# Altium PCB FC11.PcbDoc (part 2 of 2)
Units mil, origin at the board's own origin, x right, y up, seen from the top; angles counter-clockwise.
Board outline 4330.71 x 2377.95 mil, 4 copper layers (Top Layer, Int1 (GND), Int2 (PWR), Bottom Layer), stack 53.912 mil thick; 171 components, 108 nets, 567 pads, 218 vias.
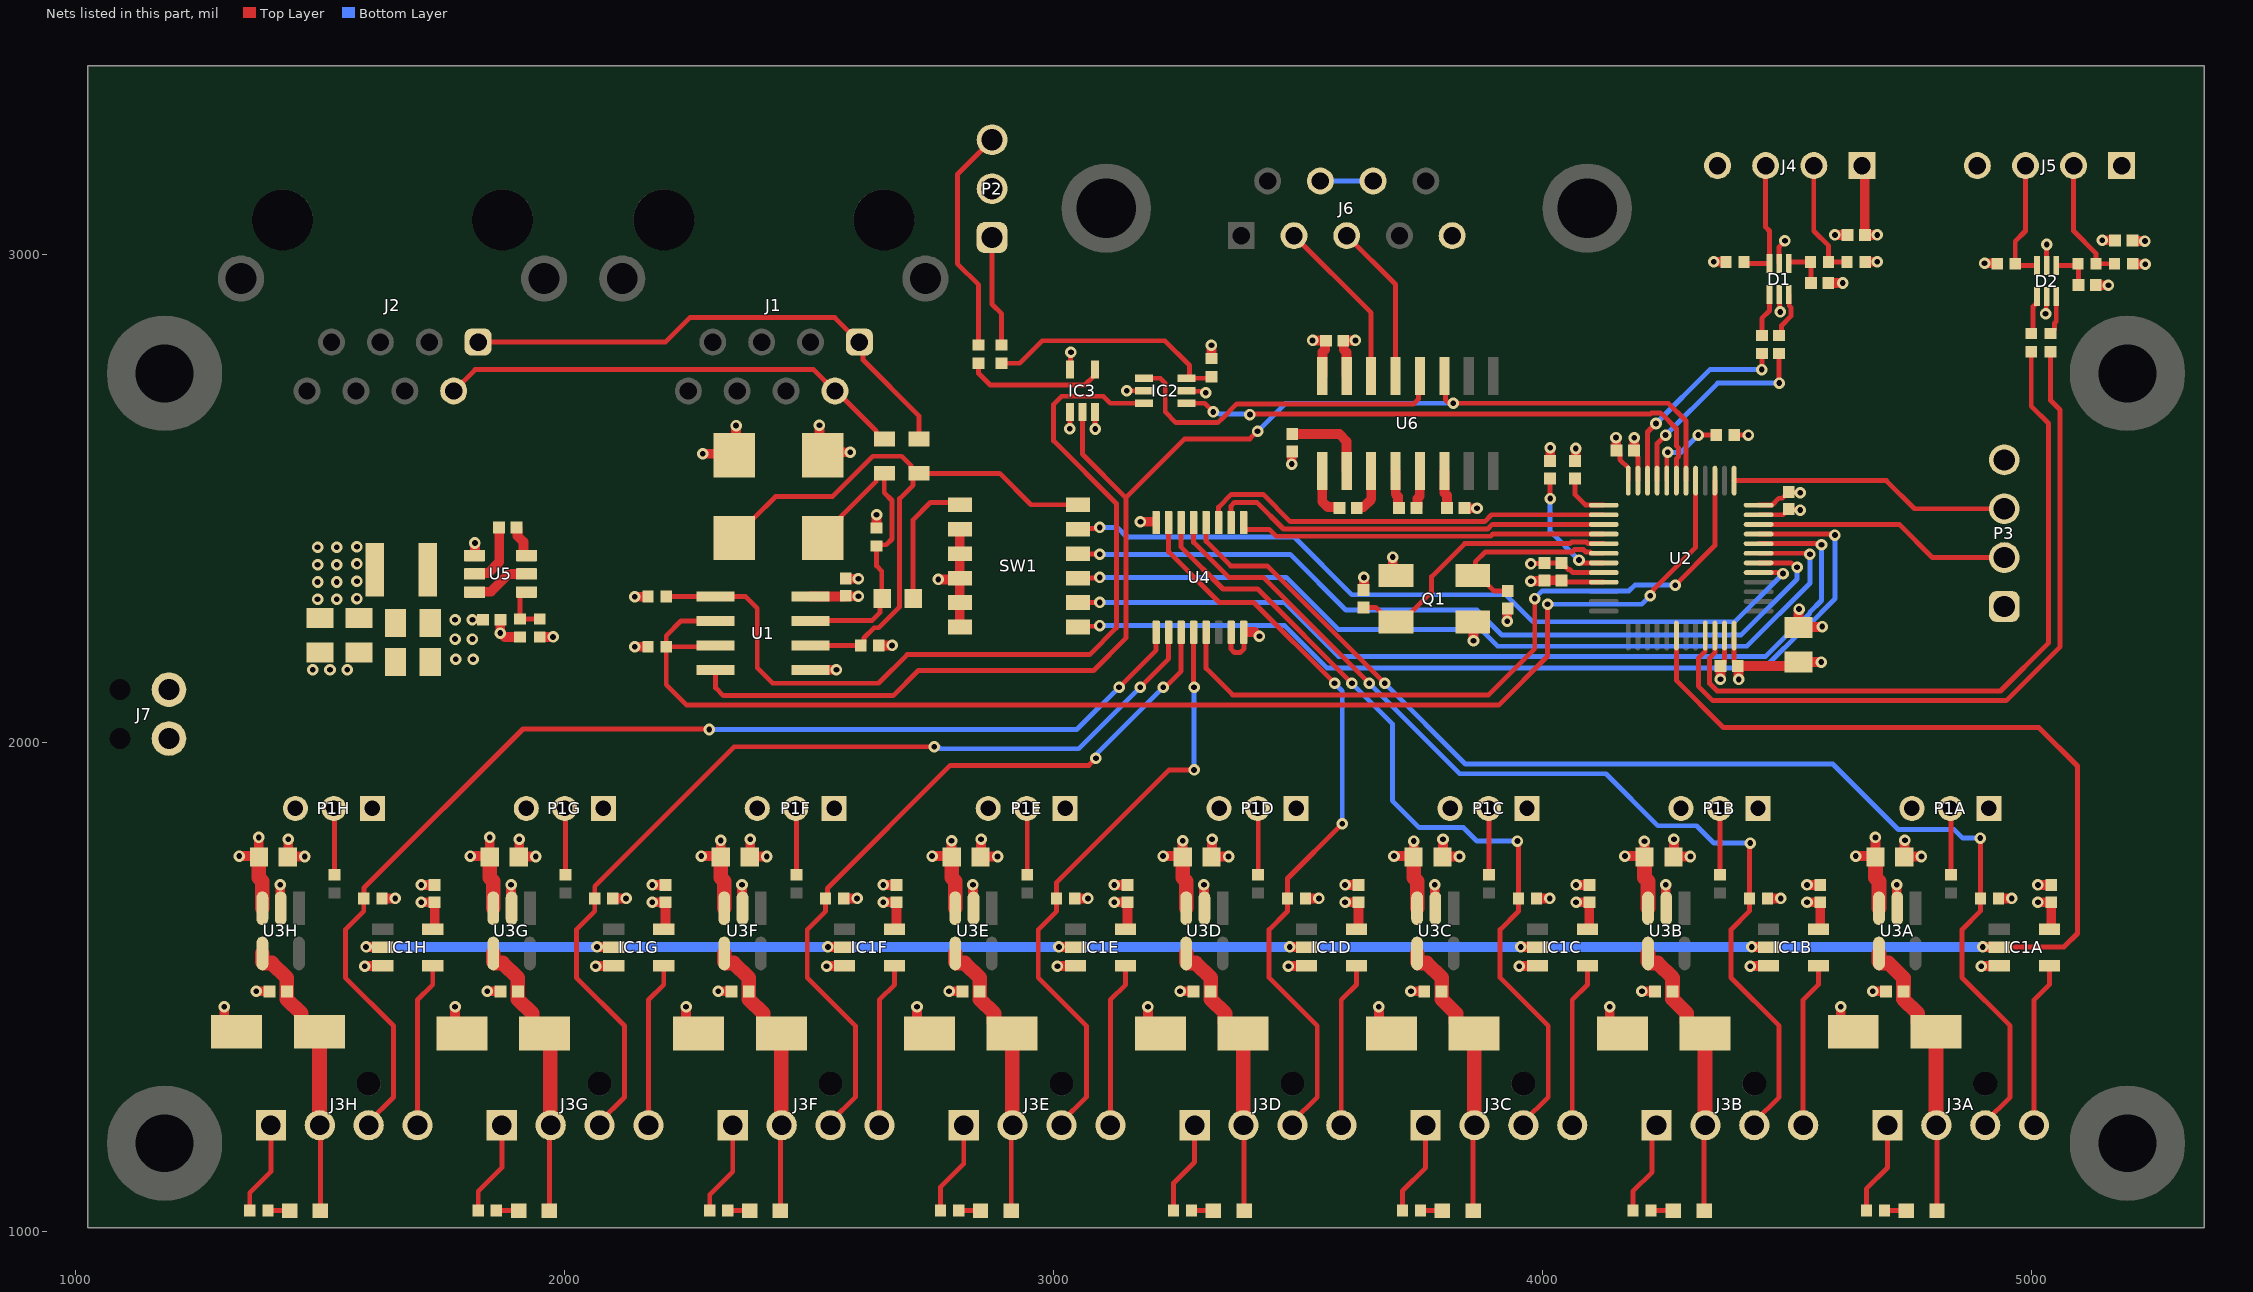
[diagram p4: the nets of this part, all layers, seen from the top]

## Via types
v1: diameter 23.62, hole 11.81, Top Layer to Bottom Layer, tented both sides, 218 vias

## Nets (pads, with @x,y where several pads share a name; then routed paths per layer and width w, separated by ;. In a path a pad name is that pad's centre, name@x,y a point inside that pad or via, vN(x,y) a via of type N, cw(c..) or ccw(c..) an arc to the next point about the centre after c; other vN are vias at no path point) (continued)
GND: C1A.1 C1B.1 C1C.1 C1D.1 C1E.1 C1F.1 C1G.1 C1H.1 C2A.1 C2B.1 C2C.1 C2D.1 C2E.1 C2F.1 C2G.1 C2H.1 C3A.1 C3B.1 C3C.1 C3D.1 C3E.1 C3F.1 C3G.1 C3H.1 C4.1 C5.1 C6.1 C7.1 C8.1 C9.1 C10.1 C11.1 C13.1 C14.1 C15.1 C16.1 C17.1 C18.1 C19.2 C20.1 C21.2 C24.2 C25.2 C26.2 C27.2 C28.1 C29.2 D1.2 D2.2 D3A.1 D3B.1 D3C.1 D3D.1 D3E.1 D3F.1 D3G.1 D3H.1 D4.2 D5.2 IC1A.3 IC1B.3 IC1C.3 IC1D.3 IC1E.3 IC1F.3 IC1G.3 IC1H.3 IC2.2 IC3.1 IC3.3 J3A.1 J3B.1 J3C.1 J3D.1 J3E.1 J3F.1 J3G.1 J3H.1 J4.4 J5.4 J6.5 J7.2 P1A.3 P1B.3 P1C.3 P1D.3 P1E.3 P1F.3 P1G.3 P1H.3 P2.2 P3.4 Q1.2 Q1.4 R4.1 R6.1 R7.1 R19A.1 R19B.1 R19C.1 R19D.1 R19E.1 R19F.1 R19G.1 R19H.1 R20.2 SW1.2 SW1.3 SW1.4 SW1.5 SW1.6 U1.5 U2.8 U2.23 U2.35 U2.47 U3A.2 U3B.2 U3C.2 U3D.2 U3E.2 U3F.2 U3G.2 U3H.2 U4.7 U4.8 U5.1 U6.15 | length 4949.1
  Top Layer w10: R19H.1@1355.51,1043.31 1355.51,1079.92 1398.74,1123.15 J3H.1@1398.74,1217.95 ; R19G.1@1822.83,1043.31 1822.83,1082.68 1871.18,1131.02 J3G.1@1871.18,1217.95 ; R19F.1@2296.46,1043.31 2296.46,1075.98 2343.62,1123.15 J3F.1@2343.62,1217.95 ; R19E.1@2768.9,1043.31 2768.9,1091.73 2816.06,1138.9 J3E.1@2816.06,1217.95 ; v1(3032.82,2642.71) 3033.14,2643.03 3033.14,2676.84 IC3.1@3033.46,2677.17 ; IC3.3@3084.65,2677.17 3084.93,2676.88 3084.93,2642.55 v1(3085.22,2642.26) ; v1(3149.61,2720.47) IC2.2@3185.02,2720.47 ; R19D.1@3245.28,1043.31 3245.28,1099.61 3288.5,1142.83 J3D.1@3288.5,1217.95 ; U4.7@3363.19,2226.38 3363.19,2191.93 3370.08,2185.04 3381.89,2185.04 3389.76,2192.91 3389.76,2225.39 U4.8@3388.78,2226.38 ; R19C.1@3713.78,1043.31 3713.78,1083.86 3760.94,1131.02 J3C.1@3760.94,1217.95 ; v1(3976.38,2366.14) 3977.36,2367.13 4002.95,2367.13 C8.1@4003.94,2368.11 C10.1@4039.37,2368.11 4052.6,2354.88 4055.72,2354.88 4061.98,2348.62 U2.8@4125.35,2348.62 ; R19B.1@4185.04,1043.31 4185.04,1082.68 4224.41,1122.05 4224.41,1208.98 J3B.1@4233.39,1217.95 ; C9.1@4187.86,2597.12 4188.31,2597.12 4194.21,2591.22 4194.21,2586.39 4195.24,2585.36 U2.47@4195.24,2536.61 ; C7.1@4364.17,2157.48 4372.4,2165.71 U2.23@4372.4,2219.69 ; R20.2@4392.52,2629.92 v1(4421.26,2629.92) ; U2.35@4442.28,2466.73 4492.32,2466.73 C11.1@4503.94,2478.35 4504.92,2477.36 4526.57,2477.36 v1(4527.56,2476.38) ; D1.2@4484.25,2917.13 4485.16,2916.22 4485.16,2883.11 v1(4486.38,2881.89) ; R19A.1@4662.6,1043.31 4662.6,1087.8 4705.83,1131.02 J3A.1@4705.83,1217.95 ; v1(5029.37,2877.95) 5030.59,2879.17 5030.59,2912.28 D2.2@5031.5,2913.19
  Top Layer w20: D3H.1@1303.15,1433.07 v1(1303.15,1460.26) ; v1@1368.84,1491.85 C3H.1@1396.02,1491.85 ; U3H.2@1417.67,1682.91 v1(1417.66,1710.1) ; C2H.1@1434.37,1775.73 v1(1434.36,1802.91) ; C2H.1@1440.94,1767.72 v1(1468.13,1767.72) ; v1(1590.55,1543.31) 1591.12,1543.88 1626.99,1543.88 IC1H.3@1627.56,1544.45 ; v1(1706.55,1709.56) C1H.1@1733.74,1709.57 ; D3G.1@1775.59,1433.07 v1(1775.59,1460.26) ; U5.1@1816.21,2381.85 v1(1816.21,2409.03) ; v1@1841.28,1491.85 C3G.1@1868.46,1491.85 ; C15.1@1868.11,2251.97 v1(1868.11,2224.78) 1869.09,2224.78 1877.08,2216.8 R4.1@1908.72,2216.8 ; U3G.2@1890.11,1682.91 v1(1890.1,1710.1) ; C2G.1@1906.81,1775.73 v1(1906.81,1802.91) ; C2G.1@1913.39,1767.72 v1(1940.57,1767.72) ; v1(2062.99,1543.31) 2063.56,1543.88 2099.43,1543.88 IC1G.3@2100,1544.45 ; v1@2143.29,2196.85 R6.1@2170.47,2196.85 ; v1(2178.99,1709.56) C1G.1@2206.18,1709.57 ; D3F.1@2248.03,1433.07 v1(2248.03,1460.26) ; v1(2282.01,2591.51) D5.2@2309.2,2591.51 ; v1@2313.72,1491.85 C3F.1@2340.91,1491.85 ; D5.2@2350.39,2622.05 v1(2350.39,2649.23) ; U3F.2@2362.55,1682.91 v1(2362.54,1710.1) ; C2F.1@2379.25,1775.73 v1(2379.25,1802.91) ; C2F.1@2385.83,1767.72 v1(2413.01,1767.72) ; D4.2@2520.98,2622.74 v1(2520.97,2649.93) ; U1.5@2528.5,2149.73 v1(2555.69,2149.73) ; v1(2535.43,1543.31) 2536,1543.88 2571.87,1543.88 IC1F.3@2572.44,1544.45 ; D4.2@2556.94,2594.6 v1(2584.12,2594.6) ; C20.1@2573.5,2335.76 v1(2600.69,2335.76) ; R7.1@2637.8,2439.76 v1@2637.8,2466.95 ; v1(2651.44,1709.56) C1F.1@2678.62,1709.57 ; D3E.1@2720.47,1433.07 v1(2720.47,1460.26) ; v1(2764.15,2334.64) SW1.4@2791.34,2334.65 ; v1@2786.16,1491.85 C3E.1@2813.35,1491.85 ; SW1.6@2808.07,2237.2 SW1.5@2808.07,2287.2 SW1.4@2808.07,2337.2 SW1.2@2808.07,2437.2 ; U3E.2@2834.99,1682.91 v1(2834.99,1710.1) ; C2E.1@2851.69,1775.73 v1(2851.69,1802.91) ; C2E.1@2858.27,1767.72 v1(2885.45,1767.72) ; v1(3007.87,1543.31) 3008.44,1543.88 3044.31,1543.88 IC1E.3@3044.88,1544.45 ; v1(3123.88,1709.56) C1E.1@3151.06,1709.57 ; D3D.1@3192.91,1433.07 v1(3192.91,1460.26) ; v1@3258.6,1491.85 C3D.1@3285.79,1491.85 ; U3D.2@3307.43,1682.91 v1(3307.43,1710.1) ; C2D.1@3324.13,1775.73 v1(3324.13,1802.91) ; C2D.1@3330.71,1767.72 v1(3357.9,1767.72) ; U4.8@3393.74,2226.99 3411.3,2226.99 3419.95,2218.35 v1(3420.93,2218.35) ; v1(3480.32,1543.31) 3480.89,1543.88 3516.75,1543.88 IC1D.3@3517.32,1544.45 ; v1(3487.33,2570.57) C19.2@3487.33,2597.76 ; v1(3596.32,1709.56) C1D.1@3623.5,1709.57 ; U6.15@3599.41,2750.55 3598.92,2751.04 3598.92,2799.08 3593.38,2804.62 3593.38,2822.83 3593.67,2823.13 3617.1,2823.13 v1(3617.39,2823.42) ; C4.1@3634.87,2311.49 v1(3634.87,2338.68) ; D3C.1@3665.35,1433.07 v1(3665.35,1460.26) ; Q1.4@3693.77,2353.03 v1(3693.77,2380.22) ; v1@3731.04,1491.85 C3C.1@3758.23,1491.85 ; U3C.2@3779.87,1682.91 v1(3779.87,1710.1) ; C2C.1@3796.57,1775.73 v1(3796.57,1802.91) ; C2C.1@3803.15,1767.72 v1(3830.34,1767.72) ; C21.2@3840.55,2480.32 v1(3866.14,2480.32) ; v1(3858.95,2209.24) Q1.2@3858.94,2236.43 ; v1(3928.16,2249.19) C5.1@3928.16,2276.38 ; v1(3952.76,1543.31) 3953.33,1543.88 3989.19,1543.88 IC1C.3@3989.76,1544.45 ; C29.2@4015.75,2576.77 v1(4015.75,2603.96) ; C28.1@4067.93,2575.17 v1(4067.93,2602.35) ; v1(4068.76,1709.56) C1C.1@4095.94,1709.57 ; D3B.1@4137.8,1433.07 v1(4137.79,1460.26) ; C9.1@4187.86,2597.12 v1(4187.86,2624.31) ; v1@4203.48,1491.85 C3B.1@4230.67,1491.85 ; U3B.2@4252.31,1682.91 v1(4252.31,1710.1) ; C2B.1@4269.01,1775.73 v1(4269.01,1802.91) ; C2B.1@4275.59,1767.72 v1(4302.78,1767.72) ; v1(4364.18,2130.36) C7.1@4364.17,2157.48 ; v1(4425.2,1543.31) 4425.77,1543.88 4461.63,1543.88 IC1B.3@4462.2,1544.45 ; C6.1@4523.62,2248.03 4523.62,2269.74 4524.38,2270.51 4524.38,2273.07 v1(4525.08,2273.76) ; v1(4541.2,1709.56) C1B.1@4568.39,1709.57 ; C6.1@4541.89,2238.89 4541.89,2237.57 4542.17,2237.29 4571.51,2237.29 v1(4572.2,2237.98) ; C26.2@4584.65,2940.94 v1(4614.17,2940.94) ; v1(4598.43,3039.37) C18.1@4624.02,3039.37 ; D3A.1@4610.24,1433.07 v1(4610.23,1460.26) ; v1@4675.93,1491.85 C3A.1@4703.11,1491.85 ; U3A.2@4724.75,1682.91 v1@4724.75,1710.1 ; C2A.1@4741.45,1775.73 4740.9,1776.28 4740.9,1800.48 v1(4741.45,1801.02) ; C2A.1@4748.03,1767.72 v1(4775.22,1767.72) ; v1(4897.64,1543.31) 4898.21,1543.88 4934.07,1543.88 IC1A.3@4934.65,1544.45 ; v1(5013.64,1709.56) C1A.1@5040.83,1709.57 ; C27.2@5130.59,2936.15 v1(5157.77,2936.15) ; v1(5145.38,3028.41) C24.2@5172.56,3028.42
  other v1: 1368.84,1491.85 1841.28,1491.85 2313.72,1491.85 2786.16,1491.85 3258.6,1491.85 3731.04,1491.85 4203.48,1491.85 4675.92,1491.85 4724.75,1710.1 1484.25,2149.61 1519.68,2149.61 1555.12,2149.61 2143.29,2196.85 2637.79,2466.95
I2C1_SCL: R23.1 U2.45 | length 437
  Top Layer w10: U2.45@4234.61,2536.61 4234.61,2612.56 v1(4251.97,2629.92) ; v1(4484.25,2736.22) R23.1@4484.25,2796.46
  Bottom Layer w10: v1(4251.97,2629.92) 4358.27,2736.22 v1(4484.25,2736.22)
I2C1_SDA: R21.1 U2.46 | length 419
  Top Layer w10: U2.46@4214.92,2536.61 4214.92,2636.18 v1(4232.28,2653.54) ; v1(4448.82,2763.78) R21.1@4448.82,2796.46
  Bottom Layer w10: v1(4232.28,2653.54) 4342.52,2763.78 v1(4448.82,2763.78)
I2C2_SCL: R24.1 U2.21 | length 1519.1
  Top Layer w10: U2.21@4333.03,2219.69 4333.03,2187.36 4318.9,2173.23 4318.9,2116.14 4348.43,2086.61 4948.82,2086.61 5059.06,2196.85 5059.06,2681.1 5039.37,2700.79 R24.1@5039.37,2800.39
I2C2_SDA: R22.1 U2.22 | length 1453.4
  Top Layer w10: U2.22@4352.72,2219.69 4352.72,2184.58 4341.97,2173.83 4341.97,2121.72 4357.39,2106.3 4937.01,2106.3 5035.43,2204.72 5035.43,2653.54 5000,2688.98 R22.1@5000,2800.39
NetC3A_2: C3A.2 D3A.2 D6A.2 J3A.2 U3A.4 | length 595.2
  Top Layer w10: J3A.2@4805.83,1217.95 4807.09,1216.69 D6A.2@4807.09,1043.31
  Top Layer w30: U3A.4@4688.43,1569.31 4688.43,1552.74 4691.42,1549.75 4707.99,1549.75 4738.54,1519.19 C3A.2@4738.54,1491.85 4738.54,1476.02 4767.95,1446.61 4767.95,1428.9 4787.4,1409.45 D3A.2@4805.12,1409.45 4805.12,1218.66 J3A.2@4805.83,1217.95
NetC3B_2: C3B.2 D3B.2 D6B.2 J3B.2 U3B.4 | length 595.8
  Top Layer w10: D6B.2@4330.71,1043.31 4330.71,1215.28 J3B.2@4333.39,1217.95
  Top Layer w30: U3B.4@4215.98,1569.31 4215.98,1552.74 4218.98,1549.75 4235.54,1549.75 4266.1,1519.19 C3B.2@4266.1,1491.85 4266.1,1476.02 4295.51,1446.61 4295.51,1428.9 4314.96,1409.45 4332.68,1409.45 D3B.2@4332.68,1405.51 4332.68,1218.66 J3B.2@4333.39,1217.95
NetC3C_2: C3C.2 D3C.2 D6C.2 J3C.2 U3C.4 | length 595.8
  Top Layer w10: D6C.2@3858.27,1043.31 3858.27,1215.28 J3C.2@3860.94,1217.95
  Top Layer w30: U3C.4@3743.54,1569.31 3743.54,1552.74 3746.54,1549.75 3763.1,1549.75 3793.66,1519.19 C3C.2@3793.66,1491.85 3793.66,1476.02 3823.07,1446.61 3823.07,1428.9 3842.52,1409.45 3860.24,1409.45 3860.24,1218.66 J3C.2@3860.94,1217.95
NetC3D_2: C3D.2 D3D.2 D6D.2 J3D.2 U3D.4 | length 595.2
  Top Layer w10: J3D.2@3388.5,1217.95 3389.76,1216.69 D6D.2@3389.76,1043.31
  Top Layer w30: U3D.4@3271.1,1569.31 3271.1,1552.74 3274.1,1549.75 3290.66,1549.75 3321.22,1519.19 C3D.2@3321.22,1491.85 3321.22,1476.02 3350.63,1446.61 3350.63,1428.9 3370.08,1409.45 3387.8,1409.45 D3D.2@3387.8,1405.51 3387.8,1218.66 J3D.2@3388.5,1217.95
NetC3E_2: C3E.2 D3E.2 D6E.2 J3E.2 U3E.4 | length 595.8
  Top Layer w10: D6E.2@2913.39,1043.31 2913.39,1215.28 J3E.2@2916.06,1217.95
  Top Layer w30: U3E.4@2798.66,1569.31 2798.66,1552.74 2801.66,1549.75 2818.22,1549.75 2848.78,1519.19 C3E.2@2848.78,1491.85 2848.78,1476.02 2878.19,1446.61 2878.19,1428.9 2897.64,1409.45 2915.35,1409.45 2915.35,1218.66 J3E.2@2916.06,1217.95
NetC3F_2: C3F.2 D3F.2 D6F.2 J3F.2 U3F.4 | length 595.8
  Top Layer w10: D6F.2@2440.95,1043.31 2440.95,1215.28 J3F.2@2443.62,1217.95
  Top Layer w30: U3F.4@2326.22,1569.31 2326.22,1552.74 2329.22,1549.75 2345.78,1549.75 2376.34,1519.19 C3F.2@2376.34,1491.85 2376.34,1476.02 2405.75,1446.61 2405.75,1428.9 2425.2,1409.45 2442.91,1409.45 D3F.2@2442.91,1405.51 2442.91,1218.66 J3F.2@2443.62,1217.95
NetC3G_2: C3G.2 D3G.2 D6G.2 J3G.2 U3G.4 | length 595.8
  Top Layer w10: D6G.2@1968.5,1043.31 1968.5,1215.28 J3G.2@1971.18,1217.95
  Top Layer w30: U3G.4@1853.78,1569.31 1853.78,1552.74 1856.78,1549.75 1873.34,1549.75 1903.9,1519.19 C3G.2@1903.9,1491.85 1903.9,1476.02 1933.31,1446.61 1933.31,1428.9 1952.76,1409.45 1970.47,1409.45 1970.47,1218.66 J3G.2@1971.18,1217.95
NetC3H_2: C3H.2 D3H.2 D6H.2 J3H.2 U3H.4 | length 595.2
  Top Layer w10: J3H.2@1498.74,1217.95 1500,1216.69 D6H.2@1500,1043.31
  Top Layer w30: U3H.4@1381.34,1569.31 1381.34,1552.74 1384.33,1549.75 1400.9,1549.75 1431.46,1519.19 C3H.2@1431.46,1491.85 1431.46,1476.02 1460.87,1446.61 1460.87,1428.9 1480.31,1409.45 D3H.2@1498.03,1409.45 1498.03,1218.66 J3H.2@1498.74,1217.95
NetC4_2: C4.2 Q1.1 U2.5 | length 590.7
  Top Layer w10: C4.2@3634.02,2277.36 3658.94,2277.36 3688.46,2247.83 Q1.1@3700.28,2247.83 3712.09,2247.83 3773.43,2309.17 3773.43,2340.35 3840.75,2407.68 4056.41,2407.68 4059.56,2410.83 4090.05,2410.83 4093.2,2407.68 U2.5@4125.35,2407.68
NetC5_2: C5.2 Q1.3 U2.6 | length 391
  Top Layer w10: C5.2@3929.02,2310.51 3901.38,2310.51 3869.57,2342.32 Q1.3@3857.76,2342.32 3862.86,2347.43 3862.86,2370.52 3883.03,2390.68 4060.62,2390.68 4065.77,2395.83 4083.84,2395.83 4088.98,2390.68 4097.23,2390.68 4099.92,2387.99 U2.6@4125.35,2387.99
NetC12_1: C12.1 L1.2 U5.2 | length 131.4
  Top Layer w20: U5.2@1815.35,2345.75 1817.17,2347.56 1843.62,2347.56 1865.79,2369.72 C12.1@1865.79,2440.75
NetC12_2: C12.2 U5.6 | length 68.7
  Top Layer w20: C12.2@1901.22,2440.75 1903.43,2438.54 1903.43,2423.35 1915.28,2411.49 1915.28,2384.96 1917.09,2383.15 U5.6@1921.65,2383.15
NetC19_1: C19.1 U6.2 | length 177.9
  Top Layer w20: C19.1@3488.19,2631.89 3584.65,2631.89 3599.41,2617.13 U6.2@3599.41,2556.54
NetC21_1: C21.1 U6.6 | length 78.6
  Top Layer w20: U6.6@3799.41,2556.54 3799.9,2556.04 3799.9,2511.12 3804.5,2506.53 3804.5,2480.94 C21.1@3805.12,2480.32
NetC22_1: C22.1 U6.3 | length 94.9
  Top Layer w20: C22.1@3620.08,2480.32 3622.28,2482.52 3633.95,2482.52 3649.93,2498.5 U6.3@3649.93,2527.51 ; U6.3@3649.9,2527.54 U6.3@3649.9,2556.01
NetC22_2: C22.2 U6.1 | length 103.5
  Top Layer w20: U6.1@3549.41,2556.54 3549.41,2493.9 3560.79,2482.52 3582.44,2482.52 C22.2@3584.65,2480.32
NetC23_1: C23.1 U6.5 | length 79.2
  Top Layer w20: C23.1@3742.13,2480.32 3744.33,2482.52 3744.33,2500.24 3749.06,2504.97 3749.06,2556.19 U6.5@3749.41,2556.54
NetC23_2: C23.2 U6.4 | length 79.2
  Top Layer w20: U6.4@3699.41,2556.54 3699.9,2556.04 3699.9,2508.76 3704.49,2504.17 3704.49,2482.52 C23.2@3706.69,2480.32
NetC26_1: C26.1 D1.4 R16.1 | length 91.3
  Top Layer w10: D1.4@4503.94,2980.51 4503.94,2983.35 4504.84,2984.25 R16.1@4548.43,2984.25 4549.21,2983.46 C26.1@4549.21,2940.94
NetC27_1: C27.1 D2.4 R17.1 | length 82.8
  Top Layer w10: D2.4@5051.18,2976.57 5092.99,2976.57 5096.46,2973.11 C27.1@5096.46,2937.01
NetC28_2: C28.2 U2.1 | length 100.8
  Top Layer w10: C28.2@4066.93,2541.34 4066.93,2507.87 4088.39,2486.42 U2.1@4125.35,2486.42
NetC29_1: C29.1 U2.7 | length 244.7
  Top Layer w10: v1(4015.75,2500) C29.1@4015.75,2541.34 ; v1(4074.8,2374.02) 4080.51,2368.31 U2.7@4125.35,2368.31
  Bottom Layer w10: v1(4015.75,2500) 4015.75,2433.07 v1(4074.8,2374.02)
NetD1_1: D1.1 R21.2 | length 90.2
  Top Layer w10: R21.2@4448.82,2833.46 4448.82,2868.59 4464.57,2884.33 D1.1@4464.57,2917.13
NetD1_3: D1.3 R23.2 | length 95.3
  Top Layer w10: R23.2@4484.25,2833.46 4488.94,2838.16 4488.94,2853.61 4508.19,2872.86 4508.19,2890.92 4504.84,2894.27 4504.84,2916.22 D1.3@4503.94,2917.13
NetD1_6: D1.6 J4.3 R12.1 | length 257.8
  Top Layer w10: R12.1@4412.2,2984.25 4415.94,2980.51 D1.6@4464.57,2980.51 4464.57,3047.24 4456.69,3055.12 J4.3@4456.69,3181.1
NetD2_1: D2.1 R22.2 | length 81.3
  Top Layer w10: R22.2@5000,2837.4 5003.94,2841.34 5003.94,2892.84 5009.79,2898.7 5010.91,2898.7 5011.81,2899.61 D2.1@5011.81,2913.19
NetD2_3: D2.3 R24.2 | length 81.1
  Top Layer w10: R24.2@5039.37,2837.4 5040.16,2837.4 5046.57,2843.82 5046.57,2844.61 5047.24,2845.28 5047.24,2858.27 5051.18,2862.2 D2.3@5051.18,2913.19
NetD2_6: D2.6 J5.3 R14.1 | length 255.5
  Top Layer w10: J5.3@4988.19,3181.1 4988.19,3047.24 4967.32,3026.38 R14.1@4967.32,2980.32 4971.06,2976.57 D2.6@5011.81,2976.57
NetD4_1: D4.1 F1.1 R7.2 R8.2 U1.7 | length 657.8
  Top Layer w10: U1.7@2502.56,2249.41 2503.8,2250.65 2628.72,2250.65 2644.52,2266.45 2644.52,2291.46 2648.34,2295.28 2648.34,2351.66 2637.8,2362.2 R7.2@2637.8,2402.76 2640.55,2405.51 2657.48,2405.51 2669.29,2417.32 2669.29,2496.06 2653.54,2511.81 F1.1@2653.54,2551.54 2647.09,2551.54 2637.09,2541.54 2637.09,2535.08 2564.88,2462.87 2564.88,2456.61 D4.1@2527.56,2419.29
NetD5_1: D5.1 F2.1 R5.2 SW1.12 U1.6 | length 1338.4
  Top Layer w10: D5.1@2346.46,2419.29 2346.46,2422.24 2383.78,2459.57 2386.73,2459.57 2431.1,2503.94 2547.24,2503.94 2629.92,2586.61 2689.33,2586.61 2707.95,2567.99 2707.95,2561.54 2717.95,2551.54 F2.1@2707.95,2541.54 ; U1.6@2502.56,2199.41 R5.2@2605.28,2199.41 2611.7,2205.83 2611.7,2214.62 2632.73,2235.65 2642.3,2235.65 2684.88,2278.23 2684.88,2499.84 2712.43,2527.39 2712.43,2541.54 2722.43,2551.54 F2.1@2724.41,2551.54 2889.41,2551.54 2953.74,2487.2 SW1.12@3050.2,2487.2
NetD6A_1: D6A.1 R19A.2 | length 44.5
  Top Layer w10: R19A.2@4699.61,1043.31 D6A.1@4744.09,1043.31
NetD6B_1: D6B.1 R19B.2 | length 45.7
  Top Layer w10: R19B.2@4222.05,1043.31 D6B.1@4267.72,1043.31
NetD6C_1: D6C.1 R19C.2 | length 44.5
  Top Layer w10: R19C.2@3750.79,1043.31 D6C.1@3795.28,1043.31
NetD6D_1: D6D.1 R19D.2 | length 44.5
  Top Layer w10: R19D.2@3282.28,1043.31 D6D.1@3326.77,1043.31
NetD6E_1: D6E.1 R19E.2 | length 44.5
  Top Layer w10: R19E.2@2805.91,1043.31 D6E.1@2850.39,1043.31
NetD6F_1: D6F.1 R19F.2 | length 44.5
  Top Layer w10: R19F.2@2333.46,1043.31 D6F.1@2377.95,1043.31
NetD6G_1: D6G.1 R19G.2 | length 45.7
  Top Layer w10: R19G.2@1859.84,1043.31 D6G.1@1905.51,1043.31
NetD6H_1: D6H.1 R19H.2 | length 44.5
  Top Layer w10: R19H.2@1392.52,1043.31 D6H.1@1437.01,1043.31
NetF1_2: F1.2 J1.2 J2.2 | length 961.6
  Top Layer w10: J2.2@1772.68,2720.04 1816.42,2763.78 2508.94,2763.78 J1.2@2552.68,2720.04 2555.2,2720.04 2637.09,2638.15 2637.09,2631.69 2647.09,2621.69 F1.2@2653.54,2621.69
NetF2_2: F2.2 J1.1 J2.1 | length 1070.2
  Top Layer w10: J2.1@1822.68,2820.04 2205.86,2820.04 2255.91,2870.08 2552.64,2870.08 J1.1@2602.68,2820.04 2610.36,2812.35 2610.36,2783.34 2724.41,2669.29 F2.2@2724.41,2621.69
NetIC1A_4: IC1A.4 J3A.4 | length 339.4
  Top Layer w10: J3A.4@5005.83,1217.95 5005.83,1474.33 5037.01,1505.51 IC1A.4@5037.01,1544.45
NetIC1B_4: IC1B.4 J3B.4 | length 339.4
  Top Layer w10: J3B.4@4533.39,1217.95 4533.39,1474.33 4564.57,1505.51 IC1B.4@4564.57,1544.45
NetIC1C_4: IC1C.4 J3C.4 | length 339.4
  Top Layer w10: J3C.4@4060.94,1217.95 4060.94,1474.33 4092.13,1505.51 IC1C.4@4092.13,1544.45
NetIC1D_4: IC1D.4 J3D.4 | length 339.4
  Top Layer w10: J3D.4@3588.5,1217.95 3588.5,1474.33 3619.69,1505.51 IC1D.4@3619.69,1544.45
NetIC1E_4: IC1E.4 J3E.4 | length 339.4
  Top Layer w10: J3E.4@3116.06,1217.95 3116.06,1474.33 3147.24,1505.51 IC1E.4@3147.24,1544.45
NetIC1F_4: IC1F.4 J3F.4 | length 339.4
  Top Layer w10: J3F.4@2643.62,1217.95 2643.62,1474.33 2674.8,1505.51 IC1F.4@2674.8,1544.45
NetIC1G_4: IC1G.4 J3G.4 | length 339.4
  Top Layer w10: J3G.4@2171.18,1217.95 2171.18,1474.33 2202.36,1505.51 IC1G.4@2202.36,1544.45
NetIC1H_4: IC1H.4 J3H.4 | length 339.4
  Top Layer w10: J3H.4@1698.74,1217.95 1698.74,1474.33 1729.92,1505.51 IC1H.4@1729.92,1544.45
NetIC2_1: IC2.1 U6.12 | length 701.9
  Top Layer w10: IC2.1@3185.02,2746.06 3218.51,2746.06 3228.35,2736.22 3228.35,2677.17 3250.16,2655.35 3335.81,2655.35 3341.87,2661.42 3342.52,2661.42 3374.63,2693.52 3736.54,2693.52 3746.14,2703.12 3746.14,2747.28 U6.12@3749.41,2750.55
NetIC2_3: IC2.3 R9.2 U1.1 | length 1818.7
  Top Layer w10: R9.2@2207.48,2299.21 2207.48,2300 R9.2@2213.9,2306.42 ; 2219.76,2299.41 U1.1@2308.46,2299.41 2369.88,2299.41 2393.7,2275.59 2393.7,2153.54 2425.2,2122.05 2641.73,2122.05 2700.33,2180.64 3073.63,2180.64 3128.27,2235.28 3128.27,2489.84 3000,2618.11 3000,2692.91 3016.28,2709.2 3101.83,2709.2 3116.14,2694.88 IC2.3@3185.02,2694.88
NetIC2_6: IC2.6 R10.1 R11.1 | length 504.5
  Top Layer w10: R11.1@2893.7,2776.77 2930.32,2776.77 2976.38,2822.83 3227.62,2822.83 3278.35,2772.1 3278.35,2748.93 IC2.6@3275.47,2746.06 ; IC2.6@3271.64,2746.06 IC2.6@3275.47,2746.06 ; R10.1@3322.83,2749.21 3319.68,2746.06 IC2.6@3275.47,2746.06
NetIC3_4: IC3.4 R18.1 | length 288.2
  Top Layer w10: R18.1@2846.46,2776.77 2846.46,2755.91 2870.08,2732.28 3063.98,2732.28 3081.77,2750.08 3084.65,2752.95 IC3.4@3084.65,2763.78
NetJ4_2: J4.2 R13.2 R16.2 | length 247.2
  Top Layer w10: J4.2@4555.12,3181.1 4555.12,3047.24 4585.43,3016.93 R16.2@4585.43,2984.25 R13.2@4623.23,2984.25
NetJ5_2: J5.2 R15.2 R17.2 | length 257.7
  Top Layer w10: J5.2@5086.61,3181.1 5086.61,3047.24 5132.2,3001.66 5132.2,2980.8 R17.2@5132.68,2980.32 R15.2@5170.47,2980.32
NetJ6_2: J6.2 U6.14 | length 352.6
  Top Layer w10: J6.2@3491.73,3037.8 3649.41,2880.12 U6.14@3649.41,2750.55
NetJ6_3: J6.3 U6.13 | length 328.6
  Top Layer w10: J6.3@3599.61,3037.8 3699.41,2937.99 U6.13@3699.41,2750.55
NetJ6_7: J6.7 J6.8 | length 107.9
  Bottom Layer w10: J6.7@3545.67,3149.61 J6.8@3653.54,3149.61
NetP1A_2: P1A.2 R2A.1 | length 137.9
  Top Layer w5: R2A.1@4834.65,1731.54 R2A.1@4835.83,1730.35
  Top Layer w10: P1A.2@4834.65,1866.14 4835.83,1864.96 R2A.1@4835.83,1730.35
NetP1B_2: P1B.2 R2B.1 | length 137.9
  Top Layer w5: R2B.1@4362.2,1731.54 R2B.1@4363.39,1730.35
  Top Layer w10: P1B.2@4362.2,1866.14 4363.39,1864.96 R2B.1@4363.39,1730.35
NetP1C_2: P1C.2 R2C.1 | length 137.9
  Top Layer w5: R2C.1@3889.76,1731.54 R2C.1@3890.94,1730.35
  Top Layer w10: P1C.2@3889.76,1866.14 3890.94,1864.96 R2C.1@3890.94,1730.35
NetP1D_2: P1D.2 R2D.1 | length 137.9
  Top Layer w5: R2D.1@3417.32,1731.54 R2D.1@3418.5,1730.35
  Top Layer w10: P1D.2@3417.32,1866.14 3418.5,1864.96 R2D.1@3418.5,1730.35
NetP1E_2: P1E.2 R2E.1 | length 137.9
  Top Layer w5: R2E.1@2944.88,1731.54 R2E.1@2946.06,1730.35
  Top Layer w10: P1E.2@2944.88,1866.14 2946.06,1864.96 R2E.1@2946.06,1730.35
NetP1F_2: P1F.2 R2F.1 | length 137.9
  Top Layer w5: R2F.1@2472.44,1731.54 R2F.1@2473.62,1730.35
  Top Layer w10: P1F.2@2472.44,1866.14 2473.62,1864.96 R2F.1@2473.62,1730.35
NetP1G_2: P1G.2 R2G.1 | length 137.9
  Top Layer w5: R2G.1@2000,1731.54 R2G.1@2001.18,1730.35
  Top Layer w10: P1G.2@2000,1866.14 2001.18,1864.96 R2G.1@2001.18,1730.35
NetP1H_2: P1H.2 R2H.1 | length 137.9
  Top Layer w5: R2H.1@1527.56,1731.54 R2H.1@1528.74,1730.35
  Top Layer w10: P1H.2@1527.56,1866.14 1528.74,1864.96 R2H.1@1528.74,1730.35
NetP2_1: P2.1 R11.2 | length 228.2
  Top Layer w10: P2.1@2874.02,3033.86 2874.02,2897.64 2893.7,2877.95 R11.2@2893.7,2813.78
NetP2_3: P2.3 R18.2 | length 467.4
  Top Layer w10: R18.2@2846.46,2813.78 2846.46,2937.01 2803.15,2980.31 2803.15,3162.99 P2.3@2874.02,3233.86
NetP3_2: P3.2 U2.34 | length 530.7
  Top Layer w10: U2.34@4442.28,2447.05 4730.12,2447.05 4798.03,2379.13 P3.2@4944.88,2379.13
NetP3_3: P3.3 U2.37 | length 576.6
  Top Layer w10: U2.37@4392.09,2536.61 4703.54,2536.61 4761.02,2479.13 P3.3@4944.88,2479.13
NetR3_1: R3.1 R4.2 U5.4 | length 103.5
  Top Layer w10: U5.4@1921.65,2308.35 1915.53,2308.35 1908.72,2301.54 R4.2@1908.72,2253.81 R3.1@1948.72,2253.81
NetR8_1: R8.1 SW1.1 | length 273.6
  Top Layer w10: R8.1@2712.6,2295.28 2712.6,2456.69 2748.03,2492.13 2803.15,2492.13 SW1.1@2808.07,2487.2
NetR20_1: R20.1 U2.44 | length 172.5
  Top Layer w10: U2.44@4254.29,2536.61 4254.29,2592.36 v1(4256.42,2594.49) ; v1(4318.9,2629.92) R20.1@4355.51,2629.92
  Bottom Layer w10: v1(4256.42,2594.49) 4283.46,2594.49 v1(4318.9,2629.92)
NetU2_39: U2.39 U4.5 | length 1456.2
  Top Layer w10: U4.5@3312.01,2226.38 3312.01,2152.56 3366.14,2098.43 3889.76,2098.43 3984.25,2192.91 v1(3984.25,2295.28) ; v1(4271.65,2322.83) 4352.72,2403.9 U2.39@4352.72,2536.61
  Bottom Layer w10: v1(3984.25,2295.28) 4000,2311.02 4177.17,2311.02 4188.98,2322.83 v1(4271.65,2322.83)
P3V3: C1A.2 C1B.2 C1C.2 C1D.2 C1E.2 C1F.2 C1G.2 C1H.2 C6.2 C7.2 C8.2 C9.2 C10.2 C11.2 C16.2 C17.2 C18.2 C20.2 C24.1 C25.1 D1.5 D2.5 IC1A.5 IC1B.5 IC1C.5 IC1D.5 IC1E.5 IC1F.5 IC1G.5 IC1H.5 IC2.5 IC3.5 J4.1 J5.1 L1.1 P1A.1 P1B.1 P1C.1 P1D.1 P1E.1 P1F.1 P1G.1 P1H.1 P3.1 R1A.2 R1B.2 R1C.2 R1D.2 R1E.2 R1F.2 R1G.2 R1H.2 R3.2 R5.1 R9.1 R10.2 R12.2 R13.1 R14.2 R15.1 U1.8 U2.9 U2.24 U2.36 U2.48 U4.16 U6.16 | length 2303.1
  Top Layer w10: IC3.5@3033.46,2763.78 3034.45,2764.76 3034.45,2798.23 v1(3035.43,2799.21) ; IC2.5@3271.64,2720.47 3272.62,2719.49 3304.46,2719.49 3307.34,2716.6 v1(3311.03,2716.6) ; C10.2@4039.37,2332.68 4043.11,2328.94 U2.9@4125.35,2328.94 ; C9.2@4151.57,2598.43 4158.53,2591.47 4158.53,2579.76 4175.55,2562.74 U2.48@4175.55,2536.61 ; U2.24@4392.09,2219.69 4392.09,2165 C7.2@4399.61,2157.48 ; U2.36@4442.28,2486.42 4469.63,2486.42 4483.77,2500.55 4490.71,2500.55 C11.2@4503.94,2513.78 4504.92,2512.8 4526.57,2512.8 v1(4527.56,2511.81) ; D1.5@4484.25,2980.51 4484.25,3015 4496.06,3026.81 v1(4496.06,3027.56) ; D2.5@5031.5,2976.57 v1(5031.5,3019.68)
  Top Layer w20: R1H.2@1625.75,1681.85 v1(1652.93,1681.85) ; v1(1706.55,1674.13) C1H.2@1733.74,1674.13 1733.74,1621.06 1731.93,1619.25 IC1H.5@1729.92,1619.25 ; R3.2@1948.72,2216.8 v1(1975.9,2216.8) ; R1G.2@2098.19,1681.85 v1(2125.38,1681.85) ; v1(2143.29,2299.21) R9.1@2170.47,2299.21 ; v1(2178.99,1674.13) C1G.2@2206.18,1674.13 2206.18,1621.06 2204.37,1619.25 IC1G.5@2202.36,1619.25 ; U1.8@2502.64,2299.49 2573.12,2299.49 C20.2@2574.8,2301.18 ; R1F.2@2570.63,1681.85 v1(2597.82,1681.85) ; C20.2@2574.8,2300.32 v1(2600.69,2300.33) ; R5.1@2642.29,2199.41 v1(2669.48,2199.41) ; v1(2651.44,1674.13) C1F.2@2678.62,1674.13 2678.62,1621.06 2676.81,1619.25 IC1F.5@2674.8,1619.25 ; R1E.2@3043.07,1681.85 v1(3070.26,1681.85) ; v1(3123.88,1674.13) C1E.2@3151.06,1674.13 3151.06,1621.06 3149.25,1619.25 IC1E.5@3147.24,1619.25 ; v1(3177.67,2452.39) U4.16@3204.86,2452.39 ; R10.2@3322.83,2786.22 v1(3322.83,2813.41) ; R1D.2@3515.51,1681.85 v1(3542.7,1681.85) ; v1(3529.7,2823.42) 3529.99,2823.13 3557.65,2823.13 C25.1@3557.94,2822.83 ; U6.16@3549.41,2750.55 3549.9,2751.04 3549.9,2799.51 3554.88,2804.49 3554.88,2820.63 C25.1@3557.09,2822.83 ; v1(3596.32,1674.13) C1D.2@3623.5,1674.13 3623.5,1621.06 3621.69,1619.25 IC1D.5@3619.69,1619.25 ; v1(3976.38,2330.71) 3977.07,2331.4 4002.66,2331.4 C8.2@4003.94,2332.68 C10.2@4039.37,2332.68 ; R1C.2@3987.95,1681.85 v1(4015.14,1681.85) ; v1(4068.76,1674.13) C1C.2@4095.94,1674.13 4095.94,1621.06 4094.13,1619.25 IC1C.5@4092.13,1619.25 ; v1(4150.47,2624.68) 4151.16,2623.99 C9.2@4151.16,2598.43 ; v1(4350.39,2984.25) R12.2@4375.2,2984.25 ; v1(4401.57,2129.92) 4400.88,2130.61 4400.88,2156.2 C7.2@4399.61,2157.48 4515.75,2157.48 C6.2@4523.62,2165.35 ; R1B.2@4460.39,1681.85 v1(4487.58,1681.85) ; v1(4541.2,1674.13) C1B.2@4568.39,1674.13 4568.39,1621.06 4566.57,1619.25 IC1B.5@4564.57,1619.25 ; C6.2@4543.31,2165.35 v1(4570.49,2165.36) ; J4.1@4653.54,3181.1 4659.45,3175.2 C18.2@4659.45,3039.37 v1(4685.04,3039.37) ; R13.1@4660.24,2984.25 v1(4685.04,2984.25) ; v1(4904.43,2981.17) R14.2@4931.62,2981.17 ; R1A.2@4932.83,1681.85 v1(4960.02,1681.85) ; v1(5013.64,1674.13) C1A.2@5040.83,1674.13 5040.83,1621.06 5039.02,1619.25 IC1A.5@5037.01,1619.25 ; C24.1@5205.39,3026.7 v1(5232.58,3026.7) ; R15.1@5206.18,2979.46 v1(5233.36,2979.46)
  other v1: 1494.19,2293.87 1533.56,2293.87 1574.8,2295.28 1494.19,2329.3 1533.56,2329.3 1574.8,2330.71 1494.19,2364.73 1533.56,2364.73 1574.8,2366.14 1494.19,2400.17 1533.56,2400.17 1574.8,2401.57
P12V: C2A.2 C2B.2 C2C.2 C2D.2 C2E.2 C2F.2 C2G.2 C2H.2 C13.2 C14.2 C15.2 J7.1 U3A.3 U3B.3 U3C.3 U3D.3 U3E.3 U3F.3 U3G.3 U3H.3 U5.3 U5.5 | length 1403
  Top Layer w20: v1(1334.08,1768.61) C2H.2@1361.26,1768.61 ; C2H.2@1374.02,1779.53 v1(1374.01,1806.71) ; v1(1806.52,1768.61) C2G.2@1833.7,1768.61 ; U5.3@1815.35,2308.35 1816.53,2309.52 1848.89,2309.52 1885.12,2345.75 U5.5@1921.65,2345.75 ; C2G.2@1846.46,1779.53 v1(1846.45,1806.71) ; v1(2278.96,1768.61) C2F.2@2306.15,1768.61 ; C2F.2@2318.9,1779.53 v1(2318.9,1800.65) ; v1(2751.4,1768.61) C2E.2@2778.59,1768.61 ; C2E.2@2791.34,1779.53 v1(2791.31,1800.11) ; v1(3223.84,1768.61) C2D.2@3251.03,1768.61 ; C2D.2@3263.78,1779.53 3263.78,1799.29 v1(3264.21,1799.72) ; v1(3696.28,1768.61) 3725.3,1768.61 3736.53,1779.84 v1(3736.53,1799.21) ; v1(4168.72,1768.61) C2B.2@4195.91,1768.61 ; v1(4208.59,1798.92) 4208.66,1798.85 C2B.2@4208.66,1779.53 ; v1(4641.16,1768.61) C2A.2@4668.35,1768.61 ; C2A.2@4681.1,1779.53 v1(4681.1,1806.71)
  Top Layer w30: C2H.2@1374.21,1766.85 1374.21,1724.21 1381.34,1717.09 U3H.3@1381.34,1661.85 ; C2G.2@1846.65,1766.85 1846.65,1724.21 1853.78,1717.09 U3G.3@1853.78,1661.85 ; C2F.2@2319.09,1766.85 2319.09,1724.21 2326.22,1717.09 U3F.3@2326.22,1661.85 ; C2E.2@2791.54,1766.85 2791.54,1724.21 2798.66,1717.09 U3E.3@2798.66,1661.85 ; C2D.2@3263.98,1766.85 3263.98,1724.21 3271.1,1717.09 U3D.3@3271.1,1661.85 ; C2C.2@3736.42,1766.85 3736.42,1724.21 3743.54,1717.09 U3C.3@3743.54,1661.85 ; C2B.2@4208.86,1766.85 4208.86,1724.21 4215.98,1717.09 U3B.3@4215.98,1661.85 ; C2A.2@4681.3,1766.85 4681.3,1724.21 4688.43,1717.09 U3A.3@4688.43,1661.85
  other v1: 1777,2171.35 1812.43,2171.35 1775.59,2212.6 1811.02,2212.6 1775.59,2251.97 1811.02,2251.97
PC13: U2.2 U4.11 | length 859.1
  Top Layer w10: U4.11@3337.6,2450.79 3337.6,2482.41 3363.68,2508.5 3428.51,2508.5 3484.25,2452.76 3881.89,2452.76 3895.87,2466.73 U2.2@4125.35,2466.73
PC14: U2.3 U4.10 | length 825.8
  Top Layer w10: U4.10@3363.19,2450.79 3363.19,2485.24 3370.08,2492.13 3415.79,2492.13 3470.16,2437.76 3888.1,2437.76 3897.39,2447.05 U2.3@4125.35,2447.05
PC15: U2.4 U4.9 | length 756.5
  Top Layer w10: U4.9@3388.78,2450.79 3388.78,2439.88 3391.65,2437.01 3440.94,2437.01 3455.2,2422.76 3894.32,2422.76 3898.92,2427.36 U2.4@4125.35,2427.36
PWM: IC1A.2 IC1B.2 IC1C.2 IC1D.2 IC1E.2 IC1F.2 IC1G.2 IC1H.2 U2.18 | length 5030.1
  Top Layer w10: U2.18@4273.98,2219.69 4273.98,2127.88 4370.36,2031.5 5015.75,2031.5 5094.49,1952.76 5094.49,1610.24 5066.93,1582.68 IC1A.2@4927.73,1582.68
  Top Layer w20: v1(1593.45,1582.67) IC1H.2@1620.64,1582.68 ; v1(2065.9,1582.67) IC1G.2@2093.08,1582.68 ; v1(2538.34,1582.67) IC1F.2@2565.52,1582.68 ; v1(3010.78,1582.67) IC1E.2@3037.96,1582.68 ; v1(3483.22,1582.67) IC1D.2@3510.4,1582.68 ; v1(3955.66,1582.67) IC1C.2@3982.85,1582.68 ; v1(4428.1,1582.67) IC1B.2@4455.29,1582.68 ; v1(4900.54,1582.67) IC1A.2@4927.73,1582.68
  Bottom Layer w20: v1(1593.45,1582.67) v1(2065.9,1582.67) v1(2538.34,1582.67) v1(3010.78,1582.67) v1(3483.22,1582.67) v1(3955.66,1582.67) v1(4428.1,1582.67) v1(4900.54,1582.67)
RS_DE: R6.2 U1.2 U1.3 U2.41 | length 2774.6
  Top Layer w10: U1.3@2308.46,2199.41 2305.91,2196.85 R6.2@2207.48,2196.85 ; U1.2@2308.46,2249.41 2237.6,2249.41 2207.48,2219.29 R6.2@2207.48,2196.85 ; v1(4010.41,2283.66) 4010.41,2177.51 3910.39,2077.5 2249.28,2077.5 2207.48,2119.29 R6.2@2207.48,2196.85 ; v1(4220.47,2301.02) 4220.47,2304.71 4226.4,2310.64 4226.4,2313.01 4313.35,2399.96 U2.41@4313.35,2536.61
  Bottom Layer w10: v1(4010.41,2283.66) 4203.11,2283.66 v1(4220.47,2301.02)
RS_RX: IC2.4 U2.43 | length 1137
  Top Layer w10: IC2.4@3271.64,2694.88 3309.06,2694.88 v1(3326.77,2677.17) ; v1(3401.57,2671.71) 3403.09,2673.23 4221.12,2673.23 4223.25,2675.35 4241.32,2675.35 4243.44,2673.23 4244.09,2673.23 4273.98,2643.35 4273.98,2607.77 4278.23,2603.52 4278.23,2585.45 4273.98,2581.2 U2.43@4273.98,2536.61
  Bottom Layer w10: v1(3326.77,2677.17) 3329.38,2674.56 3338.11,2674.56 3339.44,2673.23 3400.06,2673.23 v1(3401.57,2671.71)
RS_TX: IC3.2 U1.4 U2.42 U6.11 | length 2862.3
  Top Layer w10: U1.4@2308.46,2149.41 2308.46,2112.8 2324.31,2096.95 2671.76,2096.95 2723.03,2148.23 3081.87,2148.23 3147.8,2214.16 3147.8,2501.81 ; IC3.2@3059.06,2677.17 3059.06,2590.55 3147.8,2501.81 ; v1(3417.32,2637.8) 3401.57,2622.05 3268.04,2622.05 3147.8,2501.81 ; U6.11@3799.41,2750.55 3801.52,2748.44 3801.52,2702.41 3807.38,2696.55 3816.16,2696.55 v1(3817.68,2695.04) 4257.72,2695.04 4293.66,2659.09 U2.42@4293.66,2536.61
  Bottom Layer w10: v1(3417.32,2637.8) 3474.57,2695.04 v1(3817.68,2695.04)
SW1: SW1.11 U2.29 | length 1614.9
  Top Layer w10: SW1.11@3050.2,2437.2 3052.07,2439.07 3092.62,2439.07 v1(3094.49,2440.94) ; U2.29@4442.28,2348.62 4489.96,2348.62 v1(4492.13,2346.46)
  Bottom Layer w10: v1(3094.49,2440.94) 3129.92,2440.94 3149.61,2421.26 3492.13,2421.26 3610.24,2303.15 3925.2,2303.15 3980.31,2248.03 4393.7,2248.03 v1(4492.13,2346.46)
SW2: SW1.10 U2.30 | length 1694
  Top Layer w10: SW1.10@3050.2,2387.2 3050.66,2386.74 3093.58,2386.74 v1(3094.49,2385.83) ; U2.30@4442.28,2368.31 4508.62,2368.31 4517.33,2359.6 v1(4521.02,2359.6)
  Bottom Layer w10: v1(3094.49,2385.83) 3483.97,2385.83 3598.14,2271.65 3866.14,2271.65 3917.32,2220.47 4406.03,2220.47 4521.02,2335.46 v1(4521.02,2359.6)
SW3: SW1.9 U2.31 | length 1774.2
  Top Layer w10: SW1.9@3050.2,2337.2 3050.66,2337.67 3093.58,2337.67 v1(3094.49,2338.58) ; U2.31@4442.28,2387.99 4545.08,2387.99 v1(4547.24,2385.83)
  Bottom Layer w10: v1(3094.49,2338.58) 3475.89,2338.58 3582.19,2232.28 3874.02,2232.28 3908.43,2197.87 4418.35,2197.87 4547.24,2326.77 v1(4547.24,2385.83)
SW4: SW1.8 U2.32 | length 1858.9
  Top Layer w10: SW1.8@3050.2,2287.2 3094.29,2287.2 v1(3094.49,2287.4) ; U2.32@4442.28,2407.68 4568.7,2407.68 v1(4570.87,2405.51)
  Bottom Layer w10: v1(3094.49,2287.4) 3472.52,2287.4 3582.76,2177.17 4456.69,2177.17 4531.48,2251.95 4534.11,2251.95 4546.89,2264.73 4546.89,2267.36 4570.87,2291.34 v1(4570.87,2405.51)
SW5: SW1.7 U2.33 | length 1931.1
  Top Layer w10: SW1.7@3050.2,2237.2 3051.67,2238.68 3093.01,2238.68 v1(3094.49,2240.16) ; U2.33@4442.28,2427.36 4596.26,2427.36 v1(4598.43,2425.2)
  Bottom Layer w10: v1(3094.49,2240.16) 3472.44,2240.16 3559.06,2153.54 4454.28,2153.54 4537.69,2236.95 4540.33,2236.95 4598.43,2295.05 v1(4598.43,2425.2)
TACH1: J3H.3 R1H.1 U4.1 | length 2422.3
  Top Layer w10: J3H.3@1598.74,1217.95 1598.74,1224.72 1649.61,1275.59 1649.61,1421.26 1551.18,1519.69 1551.18,1618.11 1588.74,1655.67 R1H.1@1588.74,1681.85 1589.02,1682.13 1589.02,1703.2 1914.41,2028.59 2294.25,2028.59 v1(2295.28,2027.56) ; v1(3133.86,2114.17) 3209.65,2189.96 U4.1@3209.65,2226.38
  Bottom Layer w10: v1(2295.28,2027.56) 3047.24,2027.56 v1(3133.86,2114.17)
TACH2: J3G.3 R1G.1 U4.2 | length 1990.5
  Top Layer w10: J3G.3@2071.18,1217.95 2071.18,1224.72 2122.05,1275.59 2122.05,1421.26 2023.62,1519.69 2023.62,1618.11 2061.18,1655.67 2061.18,1706.85 2346.46,1992.13 v1(2755.91,1992.13) ; v1(3177.17,2114.17) 3235.24,2172.24 U4.2@3235.24,2226.38
  Bottom Layer w10: v1(2755.91,1992.13) 2758.51,1989.52 2767.24,1989.52 2768.57,1988.19 3051.18,1988.19 v1(3177.17,2114.17)
TACH3: J3F.3 R1F.1 U4.3 | length 1555.4
  Top Layer w10: J3F.3@2543.62,1217.95 2543.62,1224.72 2594.49,1275.59 2594.49,1421.26 2496.06,1519.69 2496.06,1618.11 2533.62,1655.67 R1F.1@2533.62,1681.85 2537.48,1685.7 2537.48,1702.83 2788.73,1954.09 3072.2,1954.09 v1(3086.61,1968.5) ; v1(3224.41,2114.17) 3228.1,2114.17 3234.91,2120.98 3235.16,2120.98 3260.83,2146.65 U4.3@3260.83,2226.38
  Bottom Layer w10: v1(3086.61,1968.5) 3089.22,1971.11 3089.22,1978.98 v1(3224.41,2114.17)
TACH4: J3E.3 R1E.1 U4.4 | length 1232.7
  Top Layer w10: J3E.3@3016.06,1217.95 3016.06,1224.72 3066.93,1275.59 3066.93,1421.26 2968.5,1519.69 2968.5,1618.11 3006.06,1655.67 R1E.1@3006.06,1681.85 3006.06,1714.72 3236.22,1944.88 v1(3287.4,1944.88) ; U4.4@3286.42,2226.38 3286.42,2115.16 v1(3287.4,2114.17)
  Bottom Layer w10: v1(3287.4,1944.88) v1(3287.4,2114.17)
TACH5: J3D.3 R1D.1 U4.15 | length 1545.3
  Top Layer w10: U4.15@3235.24,2450.79 3235.24,2390.75 3338.58,2287.4 3409.45,2287.4 v1(3574.8,2122.05) ; J3D.3@3488.5,1217.95 3488.5,1224.72 3539.37,1275.59 3539.37,1421.26 3440.94,1519.69 3440.94,1618.11 3478.5,1655.67 R1D.1@3478.5,1681.85 3478.5,1722.6 v1(3590.55,1834.65)
  Bottom Layer w10: v1(3574.8,2122.05) 3590.55,2106.3 v1(3590.55,1834.65)
TACH6: J3C.3 R1C.1 U4.14 | length 1739.1
  Top Layer w10: U4.14@3260.83,2450.79 3260.83,2400.59 3346.46,2314.96 3417.32,2314.96 v1(3610.24,2122.05) ; v1(3948.82,1799.21) 3950.94,1797.09 R1C.1@3950.94,1681.85 3950.94,1655.67 3913.39,1618.11 3913.39,1519.69 4011.81,1421.26 4011.81,1275.59 3960.94,1224.72 J3C.3@3960.94,1217.95
  Bottom Layer w10: v1(3610.24,2122.05) 3692.91,2039.37 3692.91,1881.89 3748.03,1826.77 3838.58,1826.77 3866.14,1799.21 v1(3948.82,1799.21)
TACH7: J3B.3 R1B.1 U4.13 | length 2089.4
  Top Layer w10: U4.13@3286.42,2450.79 3286.42,2410.43 3358.27,2338.58 3429.13,2338.58 v1(3645.67,2122.05) ; v1(4425.2,1795.28) 4423.39,1793.46 R1B.1@4423.39,1681.85 4423.39,1655.67 4385.83,1618.11 4385.83,1519.69 4484.25,1421.26 4484.25,1275.59 4433.39,1224.72 J3B.3@4433.39,1217.95
  Bottom Layer w10: v1(3645.67,2122.05) 3830.71,1937.01 4129.92,1937.01 4236.22,1830.71 4279.37,1830.71 4279.53,1830.55 4315.12,1830.55 4350.39,1795.28 v1(4425.2,1795.28)
TACH8: J3A.3 R1A.1 U4.12 | length 2538.3
  Top Layer w10: U4.12@3312.01,2450.79 3312.01,2412.4 3362.2,2362.2 3437.01,2362.2 v1(3677.17,2122.05) ; v1(4895.63,1805.35) 4895.83,1805.15 R1A.1@4895.83,1681.85 4895.83,1655.67 4858.27,1618.11 4858.27,1519.69 4956.69,1421.26 4956.69,1275.59 4905.83,1224.72 J3A.3@4905.83,1217.95
  Bottom Layer w10: v1(3677.17,2122.05) 3842.52,1956.69 4594.49,1956.69 4728.35,1822.83 4842.52,1822.83 4860,1805.35 v1(4895.63,1805.35)
pads on no net: B1.1 B2.1 B3.1 B4.1 IC1A.1 IC1B.1 IC1C.1 IC1D.1 IC1E.1 IC1F.1 IC1G.1 IC1H.1 J1.3 J1.4 J1.5 J1.6 J1.7 J1.8 J1.M1 J1.M2 J1.Shell J2.3 J2.4 J2.5 J2.6 J2.7 J2.8 J2.M1 J2.M2 J2.Shell J3A. J3B. J3C. J3D. J3E. J3F. J3G. J3H. J6.1 J6.4 J6.6 J6.9 J6.MH1 J6.MH2 J7.3 J7.4 U2.19 U2.20 U2.25 U2.26 U2.27 U2.28 U2.38 U2.40 U3A.5 U3B.5 U3C.5 U3D.5 U3E.5 U3F.5 U3G.5 U3H.5 U4.6 U6.7 U6.8 U6.9 U6.10

## Polygon pours and split planes (outlines as drawn)
P12V on Bottom Layer "P12V_L04_P000" (solid, remove dead copper, pour order 0): 1834.65,1917.32 1937.01,1814.96 4716.54,1814.96 4755.91,1775.59 4755.91,1677.17 4720.47,1641.73 1232.28,1641.73 1129.92,1744.09 1129.92,2204.72 1216.54,2291.34 1822.83,2291.34 1834.65,2279.53
P3V3 on Int2 (PWR) (split plane): 5334.23,1027.97 1043.72,1027.97 1043.72,3365.73 5334.23,3365.73
GND on Int1 (GND) (split plane): 5334.23,1027.97 1043.72,1027.97 1043.72,3365.73 5334.23,3365.73

## Keep-outs
Keep-Out Layer:
  the board outline again, w10

## Other copper
Top Layer:
  region net GND: 1629.92,2271.65 1629.92,2228.35 1614.17,2212.6 1472.44,2212.6 1464.57,2204.72 1464.57,2133.86 1472.44,2125.98 1673.23,2125.98 1677.17,2129.92 1677.17,2271.65 1673.23,2275.59 1633.86,2275.59
  region net P12V: 1795.01,2320.82 1753.72,2279.53 1700.79,2279.53 1688.98,2267.72 1688.98,2137.8 1700.79,2125.98 1791.34,2125.98 1838.58,2173.23 1838.58,2320.82
  region net NetC12_1: 1838.22,2358.27 1795.28,2358.27 1732.28,2421.26 1700.79,2421.26 1688.98,2409.45 1688.98,2299.21 1696.85,2291.34 1751.97,2291.34 1794.02,2333.39 1838.22,2333.39
  region net P3V3: 1468.5,2232.28 1610.24,2232.28 1614.17,2236.22 1614.17,2275.59 1633.86,2295.28 1633.86,2413.39 1625.98,2421.26 1476.38,2421.26 1464.57,2409.45 1464.57,2236.22

## Silkscreen, mask and mechanical layers (free items; w line width, h text height)
Top Overlay:
  text "GND" at 4296.34,3335.71 h30
  text "SDA" at 4414.45,3335.71 h30
  text "SCL" at 4528.62,3335.71 h30
  text "3.3V" at 4642.8,3335.71 h30
  text "GND" at 4823.9,3335.71 h30
  text "SDA" at 4942.01,3335.71 h30
  text "SCL" at 5056.18,3335.71 h30
  text "3.3V" at 5170.35,3335.71 h30
  text "GND" at 5035.56,2559.18 h50
  text "FC11 v1.1 2024" at 1240.16,2493.9 h150
  text "SWCLK" at 5039.5,2456.82 h50
  text "SWDIO" at 5035.07,2362.48 h50
  text "3.3V" at 5039.5,2252.09 h50
  text "12V" at 1334.77,2098.55 h50
  text "GND" at 1330.83,1980.44 h50
  text "CH8" at 1472.57,1925.32 h50
  text "CH7" at 1943.32,1925.32 h50
  text "CH6" at 2414.07,1925.32 h50
  text "CH5" at 2882.45,1925.32 h50
  text "CH4" at 3353.2,1925.32 h50
  text "CH3" at 3826.33,1925.32 h50
  text "CH2" at 4297.09,1925.32 h50
  text "CH1" at 4767.84,1925.32 h50

## Text inside footprints (layer, text, board x,y; h text height)
J7: Top Overlay "2" at 1260.16,2024.06 h39.37 r270; Top Overlay "1" at 1260.16,2114.06 h39.37 r270
SW1: Top Overlay "1" at 2784.13,2537.2 h39.37 r270